# Altium PCB PCB2.PcbDoc (part 2 of 3) (continued)
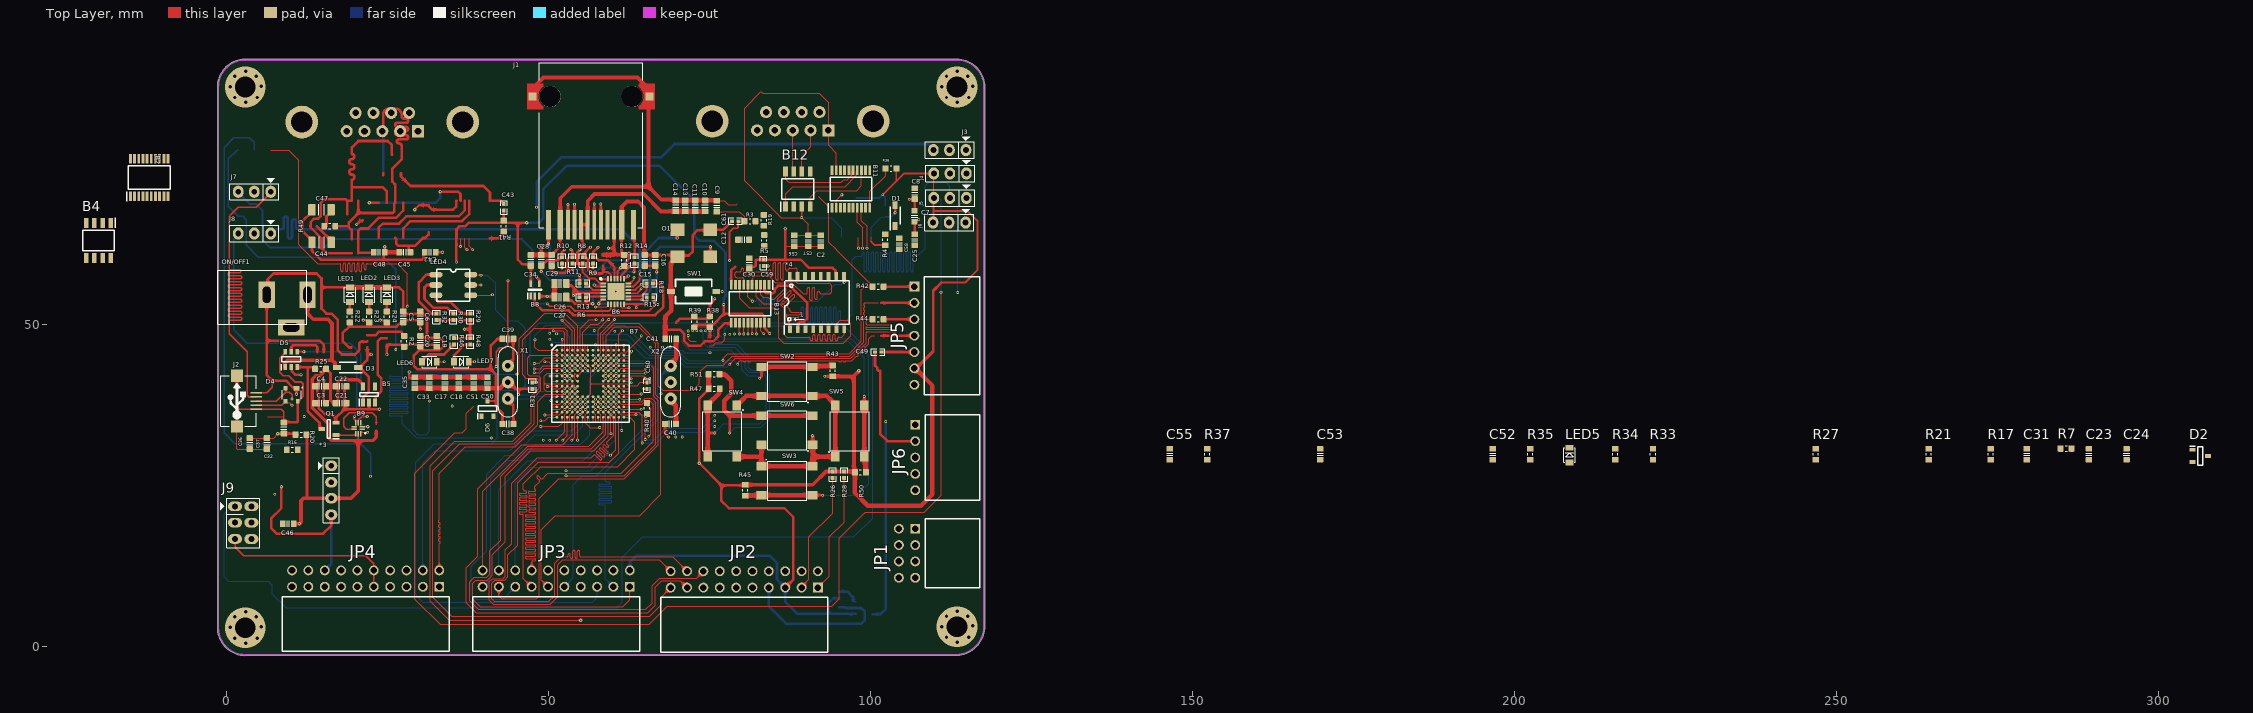
[diagram p0: Top Layer view]
## Nets (pads, with @x,y where several pads share a name; then routed paths per layer and width w, separated by ;. In a path a pad name is that pad's centre, name@x,y a point inside that pad or via, vN(x,y) a via of type N, cw(c..) or ccw(c..) an arc to the next point about the centre after c; other vN are vias at no path point) (continued)
L14-PDM1_CLK: B7.L14 JP3.12
LED_GREEN: B7.C3 LED4.5
LED_RED: B7.E3 LED4.6
LED_YELLOW: B7.A13 LED4.4
LINK-BLNK_ACTVITY: B6.3 R13.1 | length 3.1
  Top Layer w0.3: R13.1@55.898,56.47 56.048,56.32 56.914,55.454 58.217,55.454 58.221,55.45 B6.3@58.584,55.45
M4-ADC0IN4: B7.M4 JP1.8 | length 90.5
  Top Layer w0.12: v1(53.378,36.881) B7.M4@53.778,37.281
  GND Layer w0.12: v1(49.231,32.086) 50.374,33.229 52.66,33.229 53.378,33.947 v1(53.378,36.881)
  PWR Layer w0.12: v1(49.231,32.086) 50.501,33.356 54.819,33.356 58.658,29.517 58.658,22.532 66.239,14.951 66.239,9.951 68.687,7.502 97.164,7.502 99.523,9.861 99.523,16.846 101.047,18.37 JP1.8@104.476,18.37
M5-ADC0IN5: B7.M5 JP1.7 | length 88.2
  Top Layer w0.12: v1(54.178,36.881) B7.M5@54.578,37.281
  GND Layer w0.12: v1(50.247,32.086) 50.924,32.763 53.247,32.763 53.993,33.509 53.993,36.661 54.178,36.846 v1(54.178,36.881)
  PWR Layer w0.12: v1(50.247,32.086) 51.136,32.975 54.438,32.975 58.125,29.288 58.125,22.164 65.651,14.639 65.651,9.452 68.359,6.744 97.676,6.744 100.285,9.353 100.285,15.195 100.92,15.83 JP1.7@104.476,15.83
MISO: *4.8 B13.4 | length 30.3
  Top Layer w0.15: B13.4@82.337,56.233 82.337,54.352 83.394,53.295 85.997,53.295 86.696,52.596 86.696,48.469 87.077,48.088 88.979,48.088 90.5,48.088 cw(c90.5,47.893) 90.695,47.893 90.695,47.737 ccw(c90.89,47.737) 90.89,47.542 ccw(c90.89,47.737) 91.085,47.737 91.085,48.315 cw(c91.28,48.315) 91.28,48.51 cw(c91.28,48.315) 91.475,48.315 91.475,47.737 ccw(c91.67,47.737) 91.67,47.542 ccw(c91.67,47.737) 91.865,47.737 91.865,48.315 cw(c92.06,48.315) 92.06,48.51 cw(c92.06,48.315) 92.255,48.315 92.255,47.737 ccw(c92.45,47.737) 92.45,47.542 ccw(c92.45,47.737) 92.645,47.737 92.645,48.315 cw(c92.84,48.315) 92.84,48.51 cw(c92.84,48.315) 93.035,48.315 93.035,47.737 ccw(c93.23,47.737) 93.23,47.542 ccw(c93.23,47.737) 93.425,47.737 93.425,48.315 cw(c93.62,48.315) 93.62,48.51 cw(c93.62,48.315) 93.815,48.315 93.815,47.737 ccw(c94.01,47.737) 94.01,47.542 ccw(c94.01,47.737) 94.205,47.737 94.205,48.315 cw(c94.4,48.315) 94.4,48.51 cw(c94.4,48.315) 94.595,48.315 94.595,47.737 ccw(c94.79,47.737) 94.79,47.542 ccw(c94.79,47.737) 94.985,47.737 94.985,47.893 cw(c95.18,47.893) 95.18,48.088 95.255,48.088 95.586,48.088 95.967,48.469 *4.8@95.967,49.333
  Top Layer w0.4: *4.8@95.967,49.333 *4.8@95.992,49.359
MOSI: *4.15 B13.7 | length 30.5
  Top Layer w0.15: B13.7@80.387,56.233 80.404,56.233 80.404,56.25 80.404,57.129 ccw(c80.173,57.129) 80.173,57.359 79.33,57.359 cw(c79.33,57.74) 78.949,57.74 78.949,57.867 cw(c79.33,57.867) 79.33,58.248 79.711,58.248 79.786,58.248 ccw(c79.786,58.443) 79.981,58.443 79.981,58.613 cw(c80.176,58.613) 80.176,58.808 cw(c80.176,58.613) 80.371,58.613 80.371,58.034 ccw(c80.566,58.034) 80.566,57.839 ccw(c80.566,58.034) 80.761,58.034 80.761,58.248 cw(c80.956,58.248) 80.956,58.443 cw(c80.956,58.248) 81.151,58.248 81.151,58.053 ccw(c81.346,58.053) 81.346,57.858 ccw(c81.346,58.053) 81.541,58.053 cw(c81.736,58.053) 81.736,58.248 83.637,58.248 84.029,58.248 84.04,58.259 84.27,58.489 cw(c84.408,58.351) 84.603,58.351 84.603,57.842 ccw(c84.798,57.842) 84.798,57.647 ccw(c84.798,57.842) 84.993,57.842 84.993,59.482 cw(c85.188,59.482) 85.188,59.677 cw(c85.188,59.482) 85.383,59.482 85.383,57.178 ccw(c85.578,57.178) 85.578,56.983 ccw(c85.578,57.178) 85.773,57.178 85.773,59.482 cw(c85.968,59.482) 85.968,59.677 cw(c85.968,59.482) 86.163,59.482 86.163,57.178 ccw(c86.358,57.178) 86.358,56.983 ccw(c86.358,57.178) 86.553,57.178 86.553,59.482 cw(c86.748,59.482) 86.748,59.677 cw(c86.748,59.482) 86.943,59.482 86.943,58.583 ccw(c87.138,58.583) 87.138,58.388 ccw(c87.138,58.583) 87.333,58.583 87.333,58.649 cw(c87.528,58.649) 87.528,58.844 87.823,58.844 88.387,58.844 cw(c88.387,58.519) 88.711,58.519 *4.15@88.711,57.656
  Top Layer w0.4: B13.7@80.387,56.233 80.404,56.25 B13.7@80.412,56.258 ; *4.15@88.711,57.656 *4.15@88.753,57.613
N3-ADC0IN6: B7.N3 JP1.6 | length 81.3
  Top Layer w0.12: v1(51.263,32.086) 52.578,33.401 52.578,36.081 B7.N3@52.978,36.481
  PWR Layer w0.12: v1(51.263,32.086) 51.771,32.594 52.533,32.594 57.613,27.514 57.613,21.672 65.037,14.248 65.037,8.941 68.029,5.949 98.024,5.949 101.047,8.972 101.047,12.655 101.682,13.29 JP1.6@104.476,13.29
N5-FC9_MISO: B7.N5 JP2.6 | length 66.2
  Top Layer w0.12: v1(53.676,32.086) 54.178,32.588 54.178,36.081 B7.N5@54.578,36.481
  GND Layer w0.12: v1(53.676,32.086) 53.676,17.862 54.946,16.592 54.965,16.592 55.813,16.592 ccw(c55.813,16.772) 55.993,16.772 cw(c56.173,16.772) 56.353,16.772 56.353,15.957 ccw(c56.533,15.957) 56.713,15.957 56.713,17.353 cw(c56.893,17.353) 57.073,17.353 57.073,15.772 ccw(c57.253,15.772) 57.433,15.772 57.433,17.353 cw(c57.613,17.353) 57.793,17.353 57.793,15.772 ccw(c57.973,15.772) 58.153,15.772 58.153,16.412 cw(c58.333,16.412) 58.333,16.592 58.393,16.592 62.439,16.592 64.676,14.355 64.676,7.878 67.773,4.781 77.552,4.781 79.203,6.432 JP2.6@79.203,9.226
N10-FC7_I2S_RX_SCK: B7.N10 JP2.13 | length 86
  Top Layer w0.12: B7.N10@58.578,36.481 58.978,36.081 58.978,33.07 56.724,30.816 46.945,30.816 42.627,26.498 42.627,16.592 40.973,14.938 40.973,11.322 40.464,10.813 38.499,10.813 37.82,10.134 37.82,7.197 39.189,5.827 65.185,5.827 66.141,6.783 66.141,9.499 67.339,10.697 73.054,10.697 JP2.13@74.123,11.766
NetB1_3: B1.3 R1.2 | length 3.6
  Bottom Layer w0.22: B1.3@97.352,7.191 97.542,7.001 B1.3@97.842,7.001
  Bottom Layer w0.4: R1.2@95.205,8.583 96.483,8.583 97.352,7.714 B1.3@97.352,7.191
NetB2_2: B2.2 C3.1 R2.1
NetB2_10: B2.10 R2.2
NetB2_13: B2.13 B4.4
NetB2_14: B2.14 B4.1
NetB2_15: B2.15 B4.8
NetB3_2: B3.2 C5.2
NetB5_3: B5.3 R4.2
NetB6_6: B6.6 C18.1 C19.1 | length 17.1
  Top Layer w0.3: v2(57.856,53.299) 57.895,53.337 57.895,53.536 58.309,53.95 B6.6@58.584,53.95
  Top Layer w0.4: 65.021,59.176 66.63,59.176 66.865,58.941 66.865,58.267 v2(66.884,58.248)
  Bottom Layer w0.4: v2(57.856,53.299) 65.109,53.299 65.872,53.299 66.884,54.311 v2(66.884,58.248)
NetB6_14: B6.14 R18.1 | length 4.3
  Top Layer w0.3: B6.14@62.484,54.45 62.847,54.45 62.854,54.457 64.363,54.457 65.312,55.406 R18.1@65.312,56.47
NetB6_24: B6.24 R12.1 | length 11.4
  Top Layer w0.22: B6.24@59.244,57.105 59.284,57.145 B6.24@59.284,57.15
  Top Layer w0.3: v2(58.248,57.105) B6.24@59.244,57.105 ; R12.1@61.816,59.526 62.267,59.977 62.566,60.276 v2(62.566,61.169)
  Bottom Layer w0.22: v2(58.248,57.105) 59.278,58.135 61.437,58.135 62.069,58.767 62.831,58.767 63.328,59.264 63.328,60.788 62.947,61.169 v2(62.566,61.169)
NetB7_F1: B7.F1 R31.2 | length 4.6
  Top Layer w0.12: v1(50.305,42.087) 50.308,42.084 51.375,42.084 B7.F1@51.378,42.081
  Top Layer w0.22: R31.2@47.58,41.087 47.588,41.095 48.207,41.095 v1(48.215,41.103)
  PWR Layer w0.22: v1(48.215,41.103) 49.993,41.103 50.305,41.415 v1(50.305,42.087)
NetB8_4: B8.4 J3.3 | length 80.5
  Top Layer w0.4: v2(48.215,57.486) 48.234,57.467 48.234,57.427 48.611,57.051 B8.4@48.611,56.404
  GND Layer w0.4: v2(48.215,57.486) v1(48.215,68.281)
  Bottom Layer w0.4: v1(48.215,68.281) 48.215,72.218 52.025,76.028 67.519,76.028 69.596,78.105 108.976,78.105 109.835,77.245 J3.3@109.835,77.171
NetB9_5: B9.5 D5.4 | length 19.6
  Top Layer w0.22: D5.4@11.065,45.859 v2(12.09,45.859) ; v2(19.951,35.805) 19.951,35.729 19.893,35.671 19.893,35.382 B9.5@20.119,35.156
  Bottom Layer w0.22: v2(12.09,45.859) 19.329,45.859 20.275,44.913 20.275,36.205 19.951,35.881 v2(19.951,35.805)
NetB9_6: B9.6 B9.7 R27.1 | length 10.5
  Top Layer w0.22: B9.6@19.879,34.191 B9.7@19.879,33.791 18.697,33.791 18.243,34.245 18.243,35.515 19.132,36.404 22.688,36.404 23.323,35.769 23.323,34.491
NetB9_8: B9.8 Q1.1 | length 3.3
  Top Layer w0.22: Q1.1@17.057,32.914 20.119,32.914 20.129,32.924 B9.8@20.129,33.141
NetB11_10: B11.10 R36.2 | length 10.2
  Top Layer w0.12: B11.10@99.953,68.182 99.953,70.743 102.401,73.191 R36.2@102.401,74.295
  Top Layer w0.4: 40.98,63.438 42.229,63.438 43.086,64.295 43.086,64.811 43.135,64.86
NetB11_13: B11.13 B12.4 | length 12.6
  Top Layer w0.12: B12.4@90.678,68.395 90.678,69.85 91.694,70.866 97.917,70.866 98.653,71.602 B11.13@98.653,74.058
NetB11_14: B11.14 B12.1 | length 15
  Top Layer w0.12: B12.1@86.868,68.395 86.868,70.358 88.011,71.501 96.126,71.501 97.838,73.213 97.838,73.893 B11.14@98.003,74.058
NetB11_15: B11.15 B12.8 | length 13.1
  Top Layer w0.12: B12.8@86.868,73.845 86.868,72.644 87.376,72.136 95.504,72.136 95.885,72.517 96.492,72.517 97.188,73.213 97.188,73.893 B11.15@97.353,74.058
NetB13_10: B13.10 R49.2 | length 3
  Top Layer w0.4: B13.10@78.437,56.233 78.437,58.426 79.038,59.026
NetC4_2: C4.2 C6.2
NetC9_1: C9.1 R3.1 | length 5.3
  Top Layer w0.12: C9.1@76.2,67.603 79.717,67.603 80.504,66.816 R3.1@80.504,66.122
NetC24_1: C24.1 R5.2
NetC32_1: C32.1 C36.1 C37.1 D4.4 D5.6 J2.5 | length 44.2
  Top Layer w0.12: J2.5@1.686,34.232 1.651,34.197 1.651,30.804 1.721,30.734 C36.1@3.683,30.734 C36.1@3.683,30.734 ; C37.1@6.348,30.736 C37.1@6.35,30.738 ; 8.931,35.727 8.972,35.686
  Top Layer w0.15: C36.1@3.683,30.734 C37.1@6.348,30.736 ; 6.477,35.727 8.931,35.727
  Top Layer w0.22: 1.686,36.912 J2.5@4.654,36.912 8.591,36.912 8.972,36.531 8.972,35.686 C32.1@8.972,34.841 ; 11.056,34.924 11.139,35.007
  Top Layer w0.3: D5.6@9.165,45.684 8.337,44.856 8.337,42.627 8.845,42.119 9.734,42.119 10.712,41.141 11.704,41.141 11.938,40.907 11.938,38.862 11.458,38.382 11.289,38.382 11.139,38.232 D4.4@11.139,38.182
  Top Layer w0.4: J2.5@1.686,34.232 1.686,36.912 J2.5@1.686,42.132 ; C32.1@8.972,34.841 9.055,34.924 11.056,34.924 ; D5.6@9.165,45.684 D5.6@9.165,45.859 ; 11.139,35.007 D4.4@11.139,38.182
NetC42_1: C42.1 C43.1 C44.1 C45.1 C46.1 C47.1 C48.1 C49.1 | length 3.5
  Top Layer w0.4: 14.052,65.36 15.892,63.52 15.963,63.52 16.338,63.145 C44.1@16.338,62.82
NetC55_1: C55.1 R41.1
NetC58_1: C58.1 R42.2
NetD3_2: D3.2
NetD4_2: D4.2 J2.3 R22.1
NetD4_3: D4.3 J2.4 R23.1
NetD5_3: D5.3 Q1.3 R24.2 | length 13.9
  Top Layer w0.4: D5.3@11.065,43.459 12.655,43.459 ; 14.179,43.171 13.891,43.459 12.655,43.459 ; Q1.3@14.857,33.864 14.632,33.864 14.532,33.964 14.532,34.781 12.655,36.658 12.655,43.459
NetD5_5: D5.5 R25.1 | length 5.8
  Top Layer w0.4: D5.5@10.115,45.859 10.144,45.888 10.144,46.603 10.379,46.838 13.945,46.838 14.179,46.603 14.179,45.802
NetFB1_1: ON/OFF1.1
NetFB2_2: R16.1
NetJ1_1: J1.1 R13.2 | length 13.3
  Top Layer w0.4: J1.1@50.049,65.545 50.052,65.542 50.052,62.424 v2(50.055,62.421) ; v2(54.879,57.735) 54.889,57.725 54.889,56.479 R13.2@54.898,56.47
  Bottom Layer w0.4: v2@50.247,62.312 50.247,58.248 50.76,57.735 v2(54.879,57.735)
NetJ1_12: J1.12 R14.2 | length 4.9
  Top Layer w0.4: R14.2@63.425,60.526 63.443,60.544 63.443,65.418 J1.12@63.461,65.436
NetJP5_1: JP5.1 R37.2 | length 5.1
  Top Layer w0.4: 101.745,55.962 JP5.1@106.889,55.962
NetJP5_2: JP5.2 R38.2 | length 5.1
  Top Layer w0.4: 101.745,53.422 JP5.2@106.889,53.422
NetJP5_3: JP5.3 R39.2 | length 5.1
  Top Layer w0.4: 101.745,50.882 JP5.3@106.889,50.882
NetJP5_4: JP5.4 R40.2 | length 5.1
  Top Layer w0.4: 101.745,48.342 JP5.4@106.889,48.342
NetLED1_1: LED1.1 R19.2 | length 1.8
  Top Layer w0.4: 19.222,51.755 19.222,53.512 LED1.1@19.259,53.549
NetLED2_1: LED2.1 R20.2 | length 1.8
  Top Layer w0.4: LED2.1@22.18,53.549 22.227,53.502 22.227,51.755
NetLED3_1: LED3.1 R21.2 | length 1.8
  Top Layer w0.4: LED3.1@24.974,53.549 24.977,53.546 24.977,51.755
NetLED4_1: LED4.1 R32.1 | length 9.6
  Top Layer w0.4: R32.1@32.581,51.863 32.581,51.763 31.84,51.763 29.927,53.676 29.927,56.597 31.146,57.816 LED4.1@32.594,57.816
NetLED4_2: LED4.2 R30.1 | length 9.2
  Top Layer w0.4: LED4.2@32.594,56.216 31.197,56.216 30.816,55.835 30.816,54.057 32.213,52.66 34.372,52.66 35.169,51.863 35.204,51.863 R30.1@35.304,51.763
NetLED4_3: LED4.3 R29.1 | length 6.9
  Top Layer w0.4: LED4.3@32.594,54.616 32.594,53.93 32.975,53.549 34.88,53.549 36.666,51.763 R29.1@37.928,51.763
NetLED5_1: LED5.1 R33.2
NetLED6_1: LED6.1 R46.2 | length 6.2
  Top Layer w0.4: LED6.1@30.435,44.278 30.435,44.428 31.428,45.421 33.848,45.421 R46.2@35.388,46.961
NetLED7_1: LED7.1 R48.2 | length 4.2
  Top Layer w0.4: LED7.1@35.388,44.278 35.388,45.294 37.039,46.945 R48.2@37.928,46.945
nRESET: B7.N13 C52.1 J9.3 JP4.5 JP4.16 LED5.2 R34.2 R35.1 | length 27.5
  Top Layer w0.22: J9.3@1.397,16.789 1.397,15.494 2.758,14.133 9.017,14.133 21.705,14.133 22.942,12.896 JP4.16@22.942,11.893 JP4.5@22.942,9.353
OLED_SCL: *3.2 B7.E2 JP2.1 R28.1 | length 136.5
  Top Layer w0.12: v1(47.867,42.573) 48.796,42.573 49.469,43.246 51.813,43.246 B7.E2@52.178,42.881 ; JP2.1@91.903,9.226 93.681,11.004 93.681,17.1 95.967,19.386 R28.1@95.967,26.26
  GND Layer w0.12: *3.2@16.338,25.584 16.465,25.584 18.243,27.362 18.243,29.673 19.894,31.324 39.325,31.324 40.976,32.975 41.992,32.975 46.505,37.488 46.505,41.782 47.296,42.573 v1(47.867,42.573)
  PWR Layer w0.12: v1(47.867,42.573) 47.845,42.551 47.845,40.076 53.295,34.626 56.597,34.626 61.554,29.669 61.554,24.112 65.264,20.402 91.903,20.402 93.681,18.624 93.681,11.004 JP2.1@91.903,9.226
OLED_SDA: *3.1 B7.C2 JP2.2 R26.1 | length 136.5
  Top Layer w0.12: v1(47.872,44.035) 48.607,44.035 49.474,44.902 51.757,44.902 B7.C2@52.178,44.481 ; JP2.2@89.363,9.226 89.363,9.353 90.506,10.496 90.506,17.1 94.189,20.783 R26.1@94.189,26.252
  GND Layer w0.12: *3.1@16.338,28.149 16.338,29.165 16.338,30.308 16.338,30.562 17.608,31.832 39.053,31.832 40.745,33.524 41.725,33.524 45.929,37.729 45.929,43.262 46.702,44.035 v1(47.872,44.035)
  PWR Layer w0.12: v1(47.872,44.035) 47.043,44.035 46.437,43.429 46.437,40.087 52.66,33.864 55.073,33.864 59.147,29.79 59.147,23.059 67.519,14.687 73.615,14.687 75.967,14.687 cw(c75.967,14.507) 76.147,14.507 ccw(c76.327,14.507) 76.507,14.507 76.507,14.723 cw(c76.687,14.723) 76.867,14.723 76.867,14.234 ccw(c77.047,14.234) 77.227,14.234 77.227,14.819 cw(c77.407,14.819) 77.587,14.819 77.587,14.234 ccw(c77.767,14.234) 77.947,14.234 77.947,14.507 cw(c78.127,14.507) 78.127,14.687 78.187,14.687 87.006,14.687 88.096,13.598 88.096,10.494 JP2.2@89.363,9.226
P0_4-ISP0: B7.C8 J6.2 | length 78.7
  Top Layer w0.12: B7.C8@56.978,44.481 v1(57.378,44.881)
  GND Layer w0.12: v1(35.134,37.42) 35.134,36.023 34.88,35.769 34.861,35.769 34.501,35.769 cw(c34.321,35.769) 34.141,35.769 ccw(c33.961,35.769) 33.781,35.769 cw(c33.601,35.769) 33.421,35.769 ccw(c33.241,35.769) 33.061,35.769 cw(c32.881,35.769) 32.701,35.769 ccw(c32.521,35.769) 32.341,35.769 cw(c32.161,35.769) 31.981,35.769 ccw(c31.801,35.769) 31.621,35.769 cw(c31.441,35.769) 31.261,35.769 ccw(c31.081,35.769) 30.901,35.769 cw(c30.721,35.769) 30.541,35.769 30.181,35.769 29.546,35.769 ccw(c29.546,35.388) 29.165,35.388 29.165,34.587 ccw(c29.507,34.587) 29.507,34.245 36.883,34.245 36.912,34.245 36.961,34.294 37.216,34.549 ccw(c37.317,34.702) 37.47,34.803 cw(c37.598,34.931) 37.725,35.058 ccw(c37.827,35.211) 37.979,35.312 cw(c38.107,35.44) 38.234,35.567 ccw(c38.336,35.72) 38.489,35.822 cw(c38.616,35.949) 38.743,36.076 38.998,36.331 39.325,36.658 39.325,37.039 37.547,38.817 35.769,38.817 35.409,38.817 ccw(c35.229,38.817) 35.049,38.817 cw(c34.869,38.817) 34.689,38.817 ccw(c34.509,38.817) 34.329,38.817 cw(c34.149,38.817) 33.969,38.817 ccw(c33.789,38.817) 33.609,38.817 cw(c33.429,38.817) 33.249,38.817 ccw(c33.069,38.817) 32.889,38.817 cw(c32.709,38.817) 32.529,38.817 ccw(c32.349,38.817) 32.169,38.817 cw(c31.989,38.817) 31.809,38.817 ccw(c31.629,38.817) 31.449,38.817 31.089,38.817 ccw(c30.909,38.817) 30.729,38.817 30.369,38.817 30.181,38.817 29.038,38.817 28.276,39.579 28.276,41.738 29.165,42.627 29.8,42.627 30.16,42.627 ccw(c30.34,42.627) 30.52,42.627 cw(c30.7,42.627) 30.88,42.627 ccw(c31.06,42.627) 31.24,42.627 cw(c31.42,42.627) 31.6,42.627 ccw(c31.78,42.627) 31.96,42.627 cw(c32.14,42.627) 32.32,42.627 ccw(c32.5,42.627) 32.68,42.627 33.04,42.627 33.4,42.627 33.61,42.627 34.245,42.627 34.605,42.627 ccw(c34.785,42.627) 34.965,42.627 cw(c35.145,42.627) 35.325,42.627 ccw(c35.505,42.627) 35.685,42.627 cw(c35.865,42.627) 36.045,42.627 ccw(c36.225,42.627) 36.405,42.627 cw(c36.585,42.627) 36.765,42.627 ccw(c36.945,42.627) 37.125,42.627 cw(c37.305,42.627) 37.485,42.627 ccw(c37.665,42.627) 37.845,42.627 38.182,42.627 38.437,42.882 ccw(c38.564,43.009) 38.691,43.136 38.862,43.307 39.325,43.77 39.325,45.548 40.314,46.537 50.782,46.537 51.19,46.945 v1(57.359,46.945)
  Bottom Layer w0.12: v1(57.359,46.945) 57.369,46.936 57.369,44.891 v1(57.378,44.881)
P0_5-ISP1: B7.E7 J5.2 | length 5.4
  Bottom Layer w0.12: 109.093,72.136 111.823,72.136 112.395,71.564 J5.2@112.395,69.723
  other v1: 55.778,43.281
P0_6-ISP2: B7.A5 J4.2 | length 55.5
  Top Layer w0.12: v1(45.167,42.373) 45.548,42.754 45.548,47.86 49.512,51.823 52.608,51.823 54.578,49.853 B7.A5@54.578,46.081
  Bottom Layer w0.12: v1(31.578,38.182) 31.578,37.801 31.578,34.246 31.578,33.483 31.07,32.975 29.8,32.975 29.038,33.737 29.038,41.611 29.8,42.373 30.689,42.373 31.049,42.373 ccw(c31.229,42.373) 31.409,42.373 31.769,42.373 ccw(c31.949,42.373) 32.129,42.373 32.489,42.373 ccw(c32.669,42.373) 32.849,42.373 33.209,42.373 ccw(c33.389,42.373) 33.569,42.373 33.929,42.373 ccw(c34.109,42.373) 34.289,42.373 34.649,42.373 ccw(c34.829,42.373) 35.009,42.373 35.369,42.373 ccw(c35.549,42.373) 35.729,42.373 35.896,42.373 37.166,42.373 37.526,42.373 ccw(c37.706,42.373) 37.886,42.373 38.246,42.373 ccw(c38.426,42.373) 38.606,42.373 38.966,42.373 ccw(c39.146,42.373) 39.326,42.373 39.686,42.373 ccw(c39.866,42.373) 40.046,42.373 40.406,42.373 ccw(c40.586,42.373) 40.766,42.373 41.126,42.373 41.486,42.373 41.846,42.373 42.206,42.373 42.566,42.373 42.627,42.373 v1(45.167,42.373)
P3-ADC0IN7: B7.P3 JP1.5 | length 77
  Top Layer w0.12: v1(52.279,32.086) 52.978,32.785 B7.P3@52.978,35.681
  PWR Layer w0.12: v1(52.279,32.086) 53.168,31.197 56.978,27.387 56.978,19.894 64.462,12.41 64.462,8.532 67.674,5.32 98.538,5.32 101.809,8.591 101.809,10.242 102.317,10.75 JP1.5@104.476,10.75
P4-CT1MAT0: B7.P4 JP2.9 | length 78.4
  Top Layer w0.12: B7.P4@53.778,35.681 53.778,32.95 52.245,31.417 45.895,31.417 39.071,24.593 39.071,14.052 37.293,12.274 37.293,6.891 38.856,5.327 65.445,5.327 66.612,6.494 66.612,9.277 67.643,10.309 70.501,10.309 JP2.9@71.583,9.226
P5-FC9_MOSI: B7.P5 JP2.7 | length 66.2
  Top Layer w0.12: v1(54.565,32.086) 54.572,32.093 54.572,35.675 B7.P5@54.578,35.681
  GND Layer w0.12: v1(54.565,32.086) 54.565,19.513 55.962,18.116 57.71,18.116 58.777,18.116 cw(c58.777,17.936) 58.957,17.936 ccw(c59.137,17.936) 59.317,17.936 59.317,18.482 cw(c59.497,18.482) 59.677,18.482 59.677,17.296 ccw(c59.857,17.296) 60.037,17.296 60.037,18.654 cw(c60.217,18.654) 60.397,18.654 60.397,17.296 ccw(c60.577,17.296) 60.757,17.296 60.757,18.654 cw(c60.937,18.654) 61.117,18.654 61.117,17.296 ccw(c61.297,17.296) 61.477,17.296 61.477,18.654 cw(c61.657,18.654) 61.837,18.654 61.837,17.296 ccw(c62.017,17.296) 62.197,17.296 62.197,18.654 cw(c62.377,18.654) 62.557,18.654 62.557,17.296 ccw(c62.737,17.296) 62.917,17.296 62.917,17.936 cw(c63.097,17.936) 63.097,18.116 63.157,18.116 63.455,18.116 65.254,16.317 65.254,8.189 67.138,6.305 75.159,6.305 76.663,7.809 JP2.7@76.663,9.226
P12-FC7_I2S_RX_DAT: B7.P12 JP2.11 | length 86
  Top Layer w0.12: B7.P12@60.178,35.681 60.178,32.873 59.645,32.34 59.103,31.798 ccw(c59.23,31.67) 59.103,31.543 59.355,31.29 cw(c59.228,31.163) 59.355,31.036 cw(c59.228,31.163) 59.101,31.036 58.78,31.356 ccw(c58.653,31.229) 58.526,31.356 ccw(c58.653,31.229) 58.526,31.102 59.292,30.336 cw(c59.164,30.208) 59.292,30.081 cw(c59.164,30.208) 59.037,30.081 58.271,30.847 ccw(c58.144,30.72) 58.017,30.847 ccw(c58.144,30.72) 58.017,30.593 58.783,29.827 cw(c58.655,29.699) 58.783,29.572 cw(c58.655,29.699) 58.528,29.572 57.762,30.338 ccw(c57.635,30.211) 57.507,30.338 ccw(c57.635,30.211) 57.507,30.083 58.273,29.317 cw(c58.146,29.19) 58.273,29.063 cw(c58.146,29.19) 58.019,29.063 57.321,29.761 ccw(c57.193,29.634) 57.066,29.761 56.724,29.419 56.56,29.419 48.342,29.419 44.328,25.405 44.328,16.007 43.389,15.068 43.389,11.004 43.008,10.623 41.38,10.623 40.89,10.133 40.89,7.28 41.515,6.655 50.343,6.655 51.517,7.829 51.517,12.782 52.279,13.544 67.265,13.544 JP2.11@69.043,11.766
P13-FC7_I2S_RX_WS: B7.P13 JP2.12 | length 86
  Top Layer w0.12: B7.P13@60.978,35.681 60.978,30.117 59.518,28.657 48.469,28.657 45.294,25.482 45.294,15.83 43.77,14.306 43.77,10.877 43.262,10.369 41.716,10.369 41.225,9.879 41.225,7.503 41.661,7.067 50.12,7.067 51.009,7.956 51.009,12.978 52.02,13.989 52.024,13.989 52.939,13.989 ccw(c52.939,14.169) 53.119,14.169 53.119,14.327 cw(c53.299,14.327) 53.479,14.327 53.479,13.944 ccw(c53.659,13.944) 53.839,13.944 53.839,14.809 cw(c54.019,14.809) 54.199,14.809 54.199,13.944 ccw(c54.379,13.944) 54.559,13.944 54.559,14.809 cw(c54.739,14.809) 54.919,14.809 54.919,14.169 ccw(c55.099,14.169) 55.099,13.989 55.519,13.989 69.36,13.989 JP2.12@71.583,11.766
PIN_A3: B7.A3 JP3.4 | length 95.6
  Top Layer w0.12: B7.A3@52.978,46.081 52.978,49.04 52.533,49.485 47.834,49.485 46.056,47.707 46.056,42.246 46.564,41.738 48.342,41.738 48.596,41.484 48.596,40.144 47.422,38.97 47.422,34.849 44.532,31.959 35.515,31.959 31.694,28.138 31.694,7.133 34.68,4.146 v2(55.073,4.146)
  GND Layer w0.12: v2(55.073,4.146) JP3.4@55.073,9.353
PIN_B1: B7.B1 JP2.10 | length 96.2
  Top Layer w0.12: B7.B1@51.378,45.281 47.186,45.281 46.818,44.913 46.818,42.373 47.072,42.119 48.469,42.119 48.85,41.738 48.85,39.833 47.834,38.817 47.834,34.626 44.786,31.578 36.277,31.578 32.086,27.387 32.086,7.702 35.007,4.781 65.761,4.781 67.646,6.666 67.646,7.829 JP2.10@69.043,9.226
PIN_C10: B7.C10 JP3.6 | length 67.3
  Top Layer w0.12: JP3.6@49.993,9.353 48.977,10.369 48.977,18.243 51.136,20.402 64.217,20.402 67.519,23.704 67.519,38.436 66.757,39.198 66.757,47.072 64.09,49.739 60.392,49.739 59.01,48.357 59.01,44.913 v1(58.978,44.881) B7.C10@58.578,44.481
PIN_D9: B7.D9 JP3.10 | length 47.9
  Top Layer w0.12: B7.D9@57.778,43.681 v1(58.178,44.081)
  Bottom Layer w0.12: JP3.10@39.833,9.353 41.103,10.623 41.103,26.111 43.951,28.959 45.596,28.959 48.088,31.451 55.073,31.451 56.47,32.848 56.47,41.738 57.793,43.061 57.793,43.696 v1(58.178,44.081)
PIN_D11: B7.D11 JP3.2 | length 63.9
  Top Layer w0.12: B7.D11@59.378,43.681 v1(59.778,44.081)
  Bottom Layer w0.12: v1(59.778,44.081) 60.153,44.456 60.153,44.462 65.557,44.462 67.011,43.008 67.011,35.261 58.883,27.133 58.883,26.528 58.883,25.832 ccw(c59.063,25.832) 59.063,25.652 59.452,25.652 cw(c59.452,25.472) 59.452,25.292 58.063,25.292 ccw(c58.063,25.112) 58.063,24.932 59.703,24.932 cw(c59.703,24.752) 59.703,24.572 58.063,24.572 ccw(c58.063,24.392) 58.063,24.212 59.703,24.212 cw(c59.703,24.032) 59.703,23.852 58.063,23.852 ccw(c58.063,23.672) 58.063,23.492 59.703,23.492 cw(c59.703,23.312) 59.703,23.132 58.063,23.132 ccw(c58.063,22.952) 58.063,22.772 59.703,22.772 cw(c59.703,22.592) 59.703,22.412 58.063,22.412 ccw(c58.063,22.232) 58.063,22.052 58.703,22.052 cw(c58.703,21.872) 58.883,21.872 58.883,21.812 58.883,10.623 JP3.2@60.153,9.353
PIN_D12: B7.D12 JP3.9 | length 63.9
  Top Layer w0.12: JP3.9@42.373,9.353 42.373,7.956 42.822,7.507 48.147,7.507 48.596,7.956 48.596,23.069 51.644,26.117 61.804,26.117 67.088,31.401 67.088,38.233 66.376,38.944 66.376,43.262 65.557,44.081 62.529,44.081 v1(60.578,44.081) B7.D12@60.178,43.681
PIN_E10: B7.E10 JP3.5 | length 49
  Top Layer w0.12: B7.E10@58.578,42.881 v1(58.978,43.281)
  Bottom Layer w0.12: JP3.5@52.533,9.353 53.93,10.75 53.93,25.228 55.2,26.498 57.393,26.498 66.503,35.608 66.503,42.627 65.479,43.651 59.625,43.651 59.617,43.643 59.34,43.643 v1(58.978,43.281)
PIN_L13: B7.L13 JP3.14 | length 87.9
  Top Layer w0.12: JP3.14@47.453,11.893 47.453,12.051 47.453,13.191 cw(c47.633,13.191) 47.633,13.371 47.915,13.371 ccw(c47.915,13.551) 47.915,13.731 46.633,13.731 cw(c46.633,13.911) 46.633,14.091 47.915,14.091 ccw(c47.915,14.271) 47.915,14.451 46.633,14.451 cw(c46.633,14.631) 46.633,14.811 47.915,14.811 ccw(c47.915,14.991) 47.915,15.171 46.633,15.171 cw(c46.633,15.351) 46.633,15.531 47.915,15.531 ccw(c47.915,15.711) 47.915,15.891 46.633,15.891 cw(c46.633,16.071) 46.633,16.251 47.915,16.251 ccw(c47.915,16.431) 47.915,16.611 46.633,16.611 cw(c46.633,16.791) 46.633,16.971 47.915,16.971 ccw(c47.915,17.151) 47.915,17.331 46.633,17.331 cw(c46.633,17.511) 46.633,17.691 47.915,17.691 ccw(c47.915,17.871) 47.915,18.051 46.633,18.051 cw(c46.633,18.231) 46.633,18.411 47.915,18.411 ccw(c47.915,18.591) 47.915,18.771 46.633,18.771 cw(c46.633,18.951) 46.633,19.131 47.915,19.131 ccw(c47.915,19.311) 47.915,19.491 46.633,19.491 cw(c46.633,19.671) 46.633,19.851 47.915,19.851 ccw(c47.915,20.031) 47.915,20.211 46.633,20.211 cw(c46.633,20.391) 46.633,20.571 47.915,20.571 ccw(c47.915,20.751) 47.915,20.931 47.144,20.931 cw(c47.144,21.111) 47.144,21.291 47.915,21.291 ccw(c47.915,21.471) 47.915,21.651 47.144,21.651 cw(c47.144,21.831) 47.144,22.011 47.915,22.011 ccw(c47.915,22.191) 47.915,22.371 47.144,22.371 cw(c47.144,22.551) 47.144,22.731 47.915,22.731 ccw(c47.915,22.911) 47.915,23.091 47.144,23.091 cw(c47.144,23.271) 47.144,23.451 47.915,23.451 ccw(c47.915,23.631) 47.915,23.811 47.095,23.811 cw(c47.095,23.991) 47.095,24.171 47.915,24.171 ccw(c47.915,24.351) 47.915,24.531 cw(c48.15,24.729) 47.932,24.945 48.015,25.028 48.596,25.609 48.638,25.652 ccw(c48.511,25.779) 48.638,25.906 48.273,26.272 cw(c48.4,26.399) 48.273,26.526 cw(c48.4,26.399) 48.528,26.526 48.893,26.161 ccw(c49.02,26.288) 49.148,26.161 49.739,26.752 49.942,26.955 61.372,26.955 66.351,31.934 66.351,37.704 65.746,38.309 65.233,38.309 64.605,37.681 61.378,37.681 B7.L13@60.978,38.081
PIN_M10: B7.M10
PIN_M11: B7.M11 | length 19
  Top Layer w0.12: B7.M11@59.378,37.281 v1(59.778,36.881)
  GND Layer w0.12: v1(59.778,36.881) 60.509,36.15 62.947,36.15 63.836,37.039 63.836,46.056 64.979,47.199 67.138,47.199 v1(67.773,46.564)
PIN_M12: B7.M12